# Altium PCB Copy of GameBoard_V1I1_083018.PcbDoc (part 5 of 21) (continued)
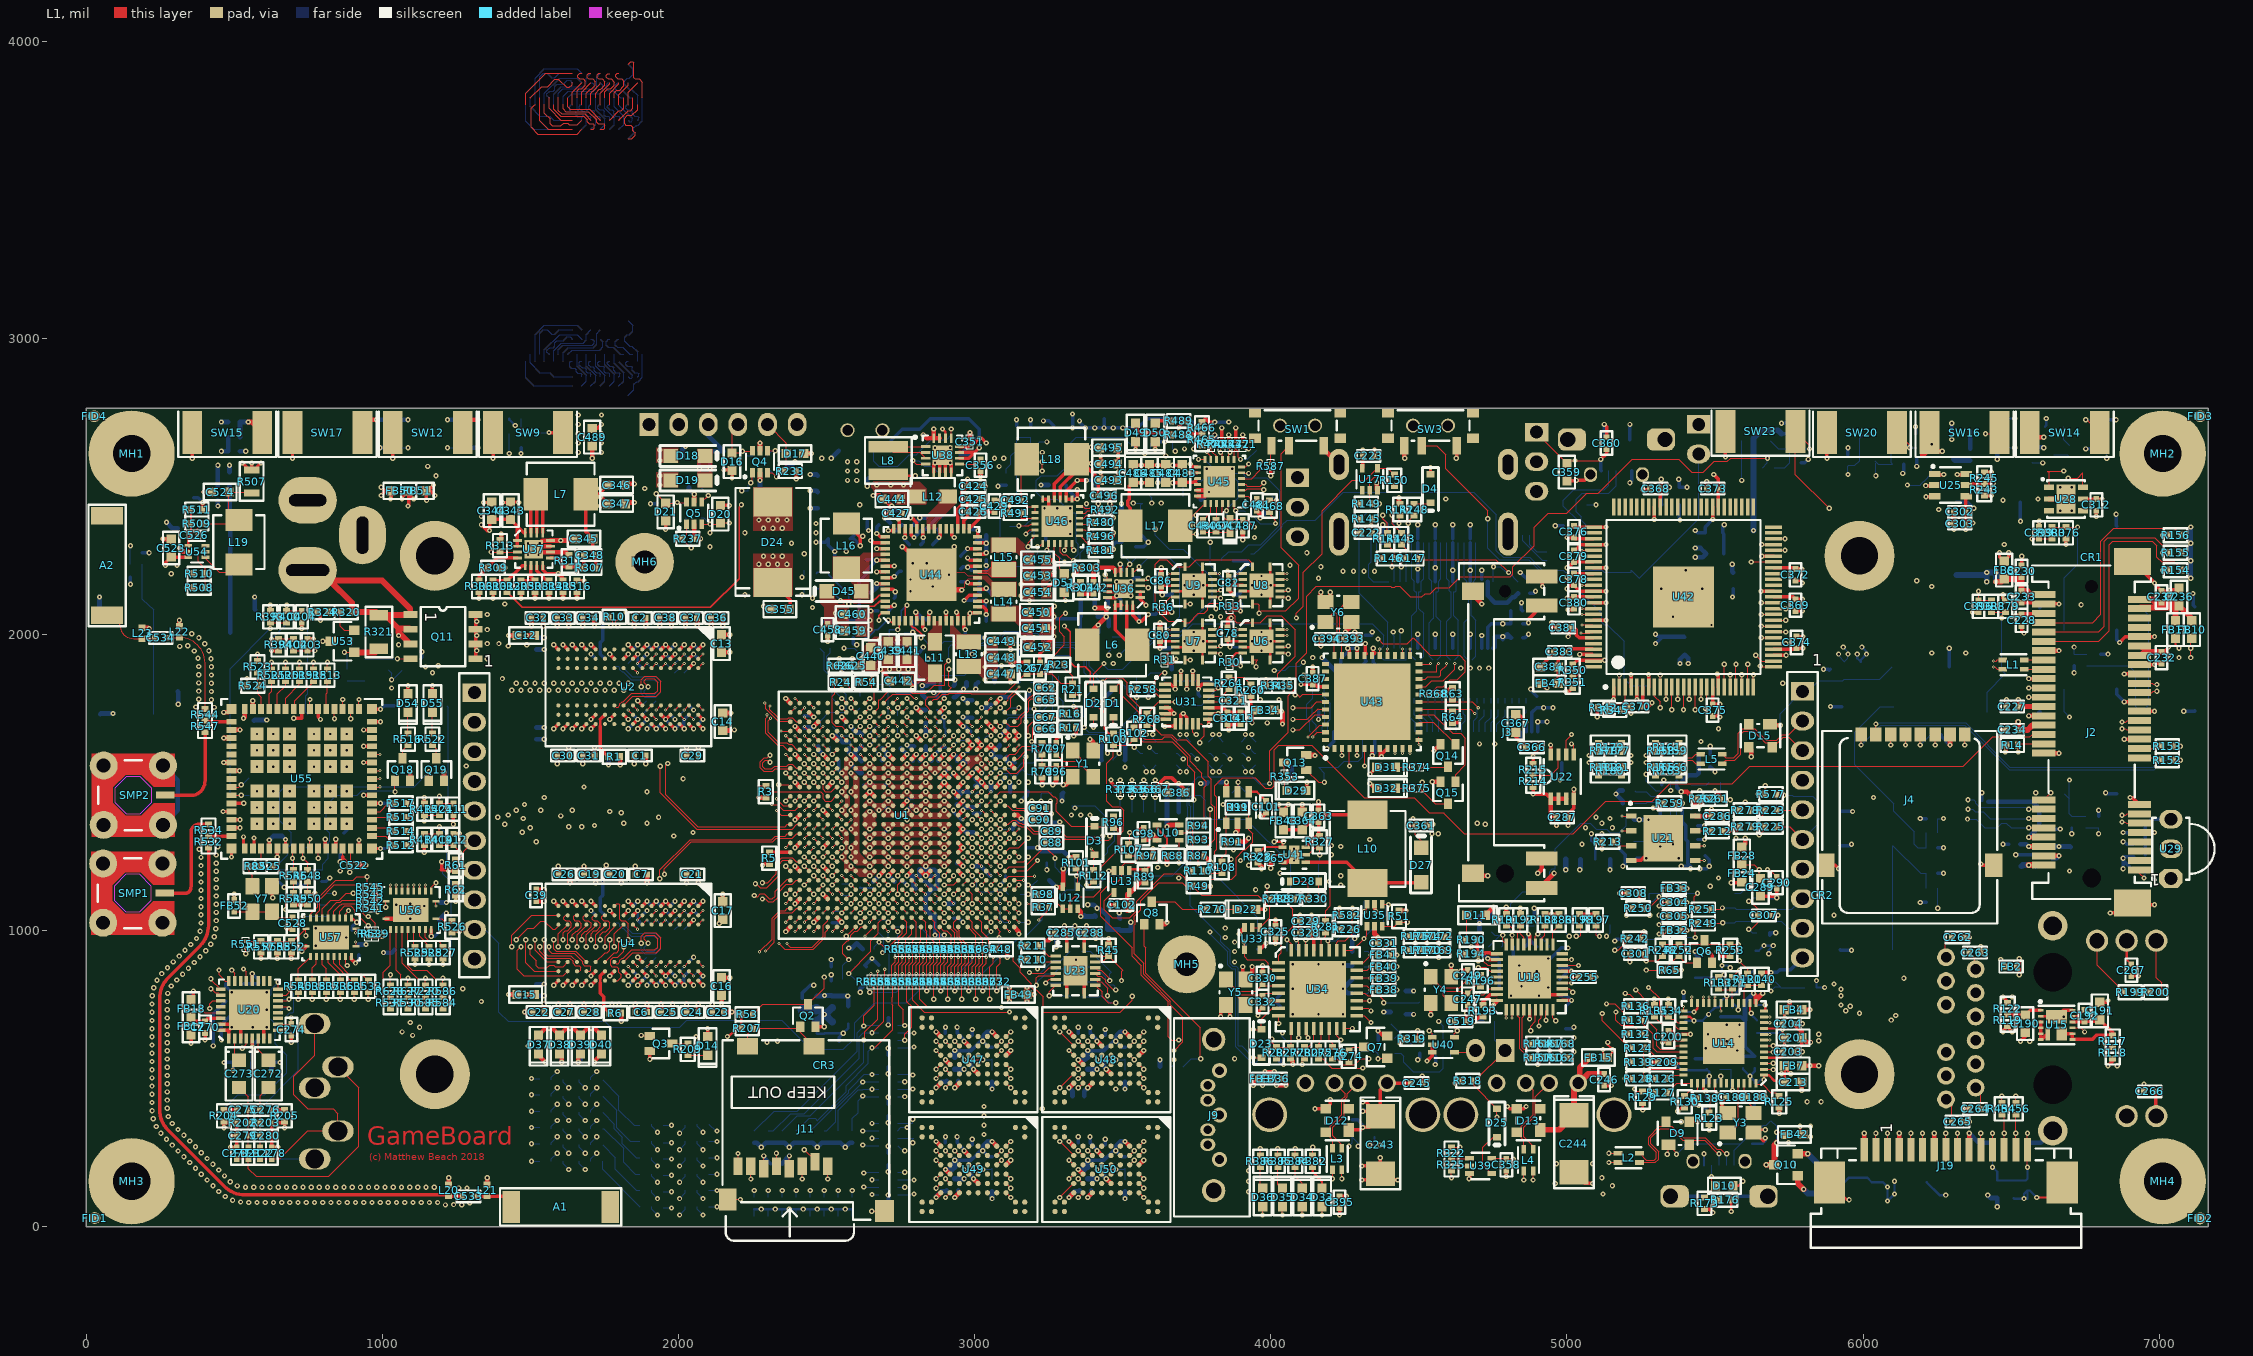
[diagram p0: L1 view]
## Part data (continued)
U16: "IC HDMI TX PORT P/I 38-TSSOP", Manufacturer="ON Semiconductor", Package / Case="38-TFSOP (0.173\", 4.40mm Width) Exposed Pad", Supplier Device Package=38-TSSOP, Supplier Part Number 1=CM2020-00TROSCT-ND, .Checked PCB=used, .Checked SCH=used, .Creator=MM, Applications="Consumer Electronics, DVD-RW Players, Set Top Box", Category="Integrated Circuits (ICs)", ComponentLink1Description=http://www.onsemi.com/pub_link/Collateral/CM2020-00TR-D.PDF, ComponentLink1URL=http://www.onsemi.com/pub_link/Collateral/CM2020-00TR-D.PDF, Manufacturer Part Number=CM2020-00TR, Mounting Type="Surface Mount", Packaging="Cut Tape (CT)", Pricing 1="1=1.52, 10=1.34, 25=1.2096, 100=1.0584, 250=0.9282, 500=0.8232, 1000=0.651 (USD)", RoHS="RoHS Compliant", Stock 1=7580, Supplier 1=Digi-Key, Type="HDMI Transmitter"
U17: "IC BUFFER SCHMIT TRIG SC705", Current - Output High, Low="32mA, 32mA", Manufacturer="Texas Instruments", Operating Temperature="-40°C ~ 85°C", Package / Case="6-TSSOP (5 Lead), SC-88A, SOT-353", Supplier Device Package=SC-70-5, Supplier Part Number 1=296-11934-1-ND, Voltage - Supply="1.65 V ~ 5.5 V", .Checked PCB=used, .Checked SCH=used, Category="Integrated Circuits (ICs)", ComponentLink1Description=http://www.ti.com/lit/ds/symlink/sn74lvc1g17.pdf, ComponentLink1URL=http://www.ti.com/lit/ds/symlink/sn74lvc1g17.pdf, Logic Type="Schmitt Trigger - Buffer, Driver", Manufacturer Part Number=SN74LVC1G17DCKR, Mounting Type="Surface Mount", Number of Bits per Element=1, Number of Elements=1, Packaging="Cut Tape (CT)", Pricing 1="1=0.12, 10=0.097, 25=0.086, 100=0.0581, 250=0.05696, 500=0.0559, 750=0.05483 (USD)", RoHS="RoHS Compliant", Stock 1=50549, Supplier 1=Digi-Key
U18: "USB HUB CONT IND TEMP 36QFNE3", Current - Supply=85mA, Manufacturer="Microchip Technology", Operating Temperature="-40°C ~ 85°C", Package / Case="36-TQFN Exposed Pad", Supplier Device Package="36-QFN-EP (6x6)", Supplier Part Number 1=USB2514BI-AEZG-ND, Voltage - Supply="3 V ~ 3.6 V", .Checked PCB=used, .Checked SCH=used, .Creator=MM, Category="Integrated Circuits (ICs)", ComponentLink1Description=http://www.smsc.com/Downloads/SMSC/Downloads_Public/Data_Sheets/251xb.pdf, ComponentLink1URL=http://www.smsc.com/Downloads/SMSC/Downloads_Public/Data_Sheets/251xb.pdf, Function="Hub Controller", Interface=USB, Manufacturer Part Number=USB2514BI-AEZG, Packaging=Tube, Pricing 1="1=3.78, 10=3.26, 25=2.72, 100=2.47 (USD)", Protocol=USB, RoHS="RoHS Compliant", Standards="USB 2.0", Stock 1=1662, Supplier 1=Digi-Key
U19: "IC SW DISTRIBUTION 2CHAN 8SOIC", Current Limit=900mA, Manufacturer="Micrel Inc", Operating Temperature="-40°C ~ 85°C", Package / Case="8-SOIC (0.154\", 3.90mm Width)", Supplier Device Package=8-SOIC, Supplier Part Number=576-1059-1-ND, Voltage - Input="2.7 V ~ 5.5 V", .Checked PCB=used, .Checked SCH=used, Category="Integrated Circuits (ICs)", ComponentLink1Description=http://www.micrel.com/_PDF/mic2026.pdf, ComponentLink1URL=http://www.micrel.com/_PDF/mic2026.pdf, Family="PMIC - Power Distribution Switches", Internal Switch(s)=Yes, Manufacturer Part Number="MIC2026-1YM TR", Mounting Type="Surface Mount", Number of Outputs=2, Packaging="Cut Tape (CT)", Price 1k [$]=0.53200, Pricing 1="1=1.14, 25=0.95, 100=0.76, 250=0.57, 500=0.532 (USD)", Rds (On)="140 mOhm", RoHS="RoHS Compliant", Stock 1=44857, Supplier=Digikey, Supplier 1=Digi-Key, Supplier Part Number 1=576-1059-1-ND, Type="High Side Switch"
U20: "IC AUDIO CODEC STEREO 32-QFN", Manufacturer="Freescale Semiconductor", Operating Temperature="-40°C ~ 85°C", Package / Case="32-VFQFN Exposed Pad", Supplier Device Package="32-QFN Exposed Pad (5x5)", Supplier Part Number 1=SGTL5000XNAA3R2CT-ND, Voltage - Supply, Analog="1.62 V ~ 3.6 V", Voltage - Supply, Digital="1.1 V ~ 2 V, 1.62 V ~ 3.6 V", .Checked PCB=used, .Checked SCH=used, .Creator=MM, Category="Integrated Circuits (ICs)", ComponentLink1Description=http://cache.freescale.com/files/analog/doc/data_sheet/SGTL5000.pdf, ComponentLink1URL=http://cache.freescale.com/files/analog/doc/data_sheet/SGTL5000.pdf, Data Interface="I²C, Serial, SPI™", Dynamic Range, ADCs / DACs (db) Typ=-, Manufacturer Part Number=SGTL5000XNAA3R2, Mounting Type="Surface Mount", Number of ADCs / DACs="1 / 1", Packaging="Cut Tape (CT)", Pricing 1="1=2.66, 10=2.375, 25=2.2324, 100=2.1375, 250=2.04252, 500=1.9, 1000=1.8525 (USD)", Resolution (Bits)=-, RoHS="RoHS Compliant", S/N Ratio, ADCs / DACs (db) Typ="90 / 100", Sigma Delta=No, Stock 1=0, Supplier 1=Digi-Key, Type="Stereo Audio"
U21: "IC FLASH 32MBIT", Manufacturer="Microchip Technology", Operating Temperature="-40°C ~ 85°C", Package / Case="8-WDFN Exposed Pad", Supplier Device Package="8-WDFN (5x6)", Supplier Part Number 1=SST26VF032B-104I/MF-ND, Voltage - Supply="2.7 V ~ 3.6 V", .Checked PCB=used, .Checked SCH=used, .Creator=MM, Category="Integrated Circuits (ICs)", ComponentLink1Description=http://www.microchip.com/mymicrochip/filehandler.aspx?ddocname=en566514, ComponentLink1URL=http://www.microchip.com/mymicrochip/filehandler.aspx?ddocname=en566514, Format - Memory=FLASH, Interface="SQI, SPI", Manufacturer Part Number=SST26VF032B-104I/MF, Memory Size="32M (4M x 8)", Memory Type=FLASH, Packaging=Tube, Pricing 1="1=1.68, 25=1.62, 100=1.56 (USD)", RoHS="RoHS Compliant", Speed=104MHz, Stock 1=417, Supplier 1=Digi-Key
U22: "IC EEPROM 2KBIT 400KHZ 8MSOP", Manufacturer="Rohm Semiconductor", Operating Temperature="-40°C ~ 85°C", Package / Case="8-VSSOP, 8-MSOP (0.110\", 2.80mm Width)", Supplier Device Package=8-MSOP, Supplier Part Number 1=BR24L02FVM-WCT-ND, Voltage - Supply="1.8 V ~ 5.5 V", .Checked PCB=used, .Checked SCH=used, Category="Integrated Circuits (ICs)", ComponentLink1Description=http://www.rohm.com/products/databook/eeprom/pdf/br24l-e.pdf, ComponentLink1URL=http://www.rohm.com/products/databook/eeprom/pdf/br24l-e.pdf, Format - Memory="EEPROMs - Serial", Interface="I²C, 2-Wire Serial", Manufacturer Part Number=BR24L02FVM-WTR, Memory Size="2K (256 x 8)", Memory Type=EEPROM, Packaging="Cut Tape (CT)", Pricing 1="1=0.78, 25=0.602, 100=0.531, 250=0.4602, 500=0.3894, 1000=0.30975 (USD)", RoHS="RoHS Compliant", Speed=400kHz, Stock 1=19923, Supplier 1=Digi-Key
U23: "IC BUS TRANSCVR 4BIT 16QFN", Manufacturer="Texas Instruments", Operating Temperature="-40°C ~ 85°C", Package / Case="16-VFQFN Exposed Pad", Supplier Device Package="16-VQFN (4x4)", Supplier Part Number 1=296-18231-1-ND, Voltage - Supply="1.2 V ~ 3.6 V", .Checked PCB=used, .Checked SCH=used, .Creator=MM, Category="Integrated Circuits (ICs)", ComponentLink1Description=http://www.ti.com/lit/ds/symlink/sn74avc4t245.pdf, ComponentLink1URL=http://www.ti.com/lit/ds/symlink/sn74avc4t245.pdf, Data Rate=380Mbps, Differential - Input:Output=No/No, Input Type=Voltage, Logic Function="Translator, Bidirectional, 3-State", Manufacturer Part Number=SN74AVC4T245RGYR, Mounting Type="Surface Mount", Number of Channels=2, Number of Outputs/Channel=2, Output Type=Voltage, Packaging="Cut Tape (CT)", Pricing 1="1=1.15, 10=0.924, 100=0.71, 500=0.548, 1000=0.495 (USD)", Propagation Delay (Max)=2.9ns, RoHS="RoHS Compliant", Stock 1=17293, Supplier 1=Digi-Key
U25: "IC DIGITAL TEMP SENSOR SOT23-6", Manufacturer="Texas Instruments", Manufacturer Part Number=TMP101NA/3K, Operating Temperature="-55°C ~ 125°C", Package / Case=SOT-23-6, Supplier Part Number 1=296-27725-1-ND, Voltage - Supply="2.7 V ~ 5.5 V", .Checked PCB=used, .Checked SCH=used, Accuracy=±3°C(Max), Category="Integrated Circuits (ICs)", ComponentLink1Description=http://www.ti.com/lit/ds/symlink/tmp100.pdf, ComponentLink1URL=http://www.ti.com/lit/ds/symlink/tmp100.pdf, Function="Temp Monitoring System (Sensor)", Mounting Type="Surface Mount", Output Alarm=Yes, Output Fan=No, Output Type=I²C™/SMBus™, Packaging="Cut Tape (CT)", Pricing 1="1=2.55, 10=2.304, 25=2.064, 100=1.856, 250=1.648, 500=1.44, 1000=1.192 (USD)", RoHS="RoHS Compliant", Sensing Temperature="-55°C ~ 125°C", Sensor Type=Internal, Stock 1=3233, Supplier 1=Digi-Key, Supplier Device Package=SOT-23-6, Topology="ADC (Sigma Delta), Register Bank"
U26: library part TJA1040T/CM,118, "IC TRANSCEIVER CAN 8SOIC", Manufacturer="NXP Semiconductors", Operating Temperature=-, Package / Case="8-SOIC (0.154\", 3.90mm Width)", Supplier Device Package=8-SO, Supplier Part Number 1=568-10289-1-ND, Voltage - Supply="4.75 V ~ 5.25 V", .Checked PCB=used, .Checked SCH=used, .Creator=MM, Category="Integrated Circuits (ICs)", ComponentLink1Description=http://www.nxp.com/documents/data_sheet/TJA1040.pdf, ComponentLink1URL=http://www.nxp.com/documents/data_sheet/TJA1040.pdf, Data Rate=-, Duplex=Half, Manufacturer Part Number=TJA1040T/CM,118, Mounting Type="Surface Mount", Number of Drivers/Receivers=1/1, Packaging="Cut Tape (CT)", Pricing 1="1=1.32, 10=1.169, 25=1.0552, 100=0.9233, 250=0.80976, 500=0.71814, 1000=0.56792 (USD)", Protocol=CAN, Receiver Hysteresis=70mV, RoHS="RoHS Compliant", Stock 1=2927, Supplier 1=Digi-Key, Type=Transceiver
U28: "SENSIRION - SHT21 - SENSOR, HUMIDITY & TEMP, 3X3MM, 2%", Capacitance=-, Manufacturer=SENSIRION, Operating Temperature Max=125, Operating Temperature Min=-40, Supplier Part Number 1=1855468, Supply Voltage Max=3.6, Supply Voltage Min=2.1, .Checked PCB=used, .Checked SCH=used, .Creator=MM, Category="Integrated Circuits (ICs)", ComponentLink1Description=http://www.farnell.com/datasheets/1780639.pdf, ComponentLink1URL=http://www.farnell.com/datasheets/1780639.pdf, ComponentLink2Description=http://www.farnell.com/cad/1670197.zip, ComponentLink2URL=http://www.farnell.com/cad/1670197.zip, Humidity Range="0% to 100", Manufacturer Part Number=SHT21, MSL="MSL 1 - Unlimited<!--FANDB--><div class=\"features-and-benefits-container\"></div>", Pricing 1="1=3.03, 10=2.94, 25=2.88, 50=2.75, 100=2.55 (GBP)", Response Time=5, RoHS=YES, Sensing Accuracy=2%, Sensitivity="± 1%", Sensor Output1=Digital, Sensor Terminals=SMD, Stock 1=8509, Supplier 1=Farnell
U29: "IC IR RCVR MOD 38KHZ DOME AXIAL", B.P.F. Center Frequency=38.0kHz, Current - Supply=450µA, Manufacturer="Vishay Semiconductor Opto Division", Supplier Part Number 1=751-1227-ND, Voltage - Supply="2.5 V ~ 5.5 V", .Checked PCB=used, .Checked SCH=used, .Creator=MM, Category="Sensors, Transducers", ComponentLink1Description=http://www.vishay.com/docs/82491/tsop382.pdf, ComponentLink1URL=http://www.vishay.com/docs/82491/tsop382.pdf, Manufacturer Part Number=TSOP38238, Mounting Type="Through Hole", Orientation="Side View", Pricing 1="1=1.12, 10=0.878, 25=0.756, 50=0.6548, 100=0.594, 250=0.54, 500=0.4995, 1000=0.4455, 2500=0.432 (USD)", RoHS="RoHS Compliant", Sensing Distance=45m, Stock 1=4083, Supplier 1=Digi-Key
U30: "SENSOR XTRINSIC 6-AXIS QFN", Manufacturer="Freescale Semiconductor", Supplier Part Number 1=FXOS8700CQR1CT-ND, .Checked PCB=used, .Checked SCH=used, .Creator=MM, Category="Sensors, Transducers", ComponentLink1Description=http://cache.freescale.com/files/sensors/doc/data_sheet/FXOS8700CQ.pdf, ComponentLink1URL=http://cache.freescale.com/files/sensors/doc/data_sheet/FXOS8700CQ.pdf, Manufacturer Part Number=FXOS8700CQR1, Output Type="I²C, SPI", Pricing 1="1=2.63, 10=2.35, 25=2.2092, 100=2.115, 250=2.021, 500=1.88 (USD)", RoHS="RoHS Compliant", Sensor Type="Accelerometer, Magnetometer, 3 Axis", Stock 1=6201, Supplier 1=Digi-Key
U31: "GYROSCOPE 3-AXIS 24QFN", Current - Supply=2.7mA, Manufacturer="Freescale Semiconductor", Operating Temperature="-40°C ~ 85°C", Package / Case="24-TFQFN Exposed Pad", Supplier Device Package="24-QFN (4x4)", Supplier Part Number 1=FXAS21002CQR1CT-ND, Voltage - Supply="1.95 V ~ 3.6 V", .Checked PCB=used, .Checked SCH=used, .Creator=MM, Category="Sensors, Transducers", ComponentLink1Description=http://cache.freescale.com/files/sensors/doc/data_sheet/FXAS21002.pdf, ComponentLink1URL=http://cache.freescale.com/files/sensors/doc/data_sheet/FXAS21002.pdf, Manufacturer Part Number=FXAS21002CQR1, Output Type="I²C, SPI", Pricing 1="1=3.56, 10=3.175, 25=2.9844, 100=2.8575, 250=2.73052, 500=2.54 (USD)", Range °/s="±250°/s, ±500°/s, ±1000°/s, ±2000°/s", RoHS="RoHS Compliant", Sensitivity="0.0078°/s/LSB, 0.0156°/s/LSB, 0.0312°/s/LSB, 0.0625°/s/LSB", Stock 1=1703, Supplier 1=Digi-Key, Typical Bandwidth=400Hz
U32: "IC SGL SCHMT-TRIG INVERT SC70-5", Current - Output High, Low="32mA, 32mA", Current - Quiescent (Max)=10µA, Manufacturer="Texas Instruments", Operating Temperature="-40°C ~ 85°C", Package / Case="5-TSSOP, SC-70-5, SOT-353", Supplier Device Package=SC-70-5, Supplier Part Number 1=296-11608-1-ND, Voltage - Supply="1.65 V ~ 5.5 V", .Checked PCB=used, .Checked SCH=used, .Creator=MM, Category="Integrated Circuits (ICs)", ComponentLink1Description=http://www.ti.com/lit/ds/symlink/sn74lvc1g14.pdf, ComponentLink1URL=http://www.ti.com/lit/ds/symlink/sn74lvc1g14.pdf, Features="Schmitt Trigger", Logic Level - High="1.16 V ~ 3.33 V", Logic Level - Low="0.39 V ~ 1.87 V", Logic Type=Inverter, Manufacturer Part Number=SN74LVC1G14DCKR, Max Propagation Delay @ V, Max CL="5ns @ 5V, 50pF", Mounting Type="Surface Mount", Number of Circuits=1, Number of Inputs=1, Packaging="Cut Tape (CT)", Pricing 1="1=0.49, 10=0.284, 100=0.134, 1000=0.103 (USD)", RoHS="RoHS Compliant", Stock 1=49135, Supplier 1=Digi-Key
U34: library part LPC1345FHN33,551, "IC MCU ARM 32KB FLASH 32HVQFN", Manufacturer="NXP Semiconductors", Operating Temperature="-40°C ~ 85°C", Package / Case="32-VQFN Exposed Pad", Supplier Device Package="32-HVQFN (7x7)", Voltage - Supply (Vcc/Vdd)="2 V ~ 3.6 V", .Checked PCB=used, .Checked SCH=used, .Creator=MM, Category="Integrated Circuits (ICs)", ComponentLink1Description=http://www.nxp.com/documents/data_sheet/LPC1315_16_17_45_46_47.pdf, ComponentLink1URL=http://www.nxp.com/documents/data_sheet/LPC1315_16_17_45_46_47.pdf, Connectivity="I²C, Microwire, SPI, SSI, SSP, UART/USART, USB", Core Processor="ARM® Cortex®-M3", Core Size=32-Bit, Data Converters="A/D 8x12b", EEPROM Size="2K x 8", Manufacturer Part Number=LPC1345FHN33,551, Number of I/O=26, Oscillator Type=Internal, Packaging=Tray, Peripherals="Brown-out Detect/Reset, POR, WDT", Pricing 1="260=3.2745 (USD)", Program Memory Size="32KB (32K x 8)", Program Memory Type=FLASH, RAM Size="10K x 8", RoHS="RoHS Compliant", Speed=72MHz, Stock 1=0, Supplier 1=Digi-Key, Supplier Part Number 1=LPC1345FHN33,551-ND
U35: "IC SWITCH SPDT SC70-6", Current - Supply=2.5µA, Manufacturer="Texas Instruments", On-State Resistance="10 Ohm", Operating Temperature="-40°C ~ 85°C", Package / Case="6-TSSOP, SC-88, SOT-363", Supplier Device Package=SC-70-6, Supplier Part Number 1=296-17588-1-ND, Voltage - Supply, Single/Dual (±)="1.65 V ~ 5.5 V", Voltage Supply Source="Single Supply", .Checked PCB=used, .Checked SCH=used, .Creator=MM, Category="Integrated Circuits (ICs)", Circuit="1 x SPDT", ComponentLink1Description=http://www.ti.com/lit/ds/symlink/ts5a3157.pdf, ComponentLink1URL=http://www.ti.com/lit/ds/symlink/ts5a3157.pdf, Function=Switch, Manufacturer Part Number=TS5A3157DCKR, Mounting Type="Surface Mount", Packaging="Cut Tape (CT)", Pricing 1="1=0.42, 10=0.325, 100=0.171, 1000=0.153 (USD)", RoHS="RoHS Compliant", Stock 1=2204, Supplier 1=Digi-Key
U36 U37: "IC REG BUCK SYNC ADJ 4A 16TQFN", Current - Output=4A, Frequency - Switching="490kHz ~ 4.2MHz", Manufacturer=Intersil, Operating Temperature="-40°C ~ 85°C", Package / Case="16-WFQFN Exposed Pad", Supplier Device Package="16-TQFN (3x3)", Supplier Part Number 1=ISL8024AIRTAJZ-T7ACT-ND, Voltage - Input="2.7 V ~ 5.5 V", Voltage - Output="0.6 V ~ 5.5 V", .Checked PCB=used, .Checked SCH=used, .Creator=MM, Category="Integrated Circuits (ICs)", ComponentLink1Description=http://www.intersil.com/content/dam/Intersil/documents/fn78/fn7812.pdf, ComponentLink1URL=http://www.intersil.com/content/dam/Intersil/documents/fn78/fn7812.pdf, Manufacturer Part Number=ISL8024AIRTAJZ-T7A, Mounting Type="Surface Mount", Number of Outputs=1, Output Type=Adjustable, Packaging="Cut Tape (CT)", Pricing 1="1=4.61, 25=3.63, 100=3.08 (USD)", RoHS="RoHS Compliant", Stock 1=440, Supplier 1=Digi-Key, Synchronous Rectifier=Yes, Type="Step-Down (Buck)"
U38: "IC REG BUCK 5V 3A SYNC 16QFN", Base Part Number=TPS62133, Current - Output=3A, Frequency - Switching=2.5MHz, Manufacturer="Texas Instruments", Operating Temperature="-40°C ~ 85°C (TA)", Package / Case="16-VFQFN Exposed Pad", Supplier Device Package="16-QFN (3x3)", Supplier Part Number 1=296-29937-1-ND, Voltage - Input (Max)=17V, Voltage - Input (Min)=3V, Voltage - Output (Max)=-, Voltage - Output (Min/Fixed)=5V, .Creator=MB, Category="Integrated Circuits (ICs)", ComponentLink1Description=http://www.ti.com/lit/ds/symlink/tps62130.pdf, ComponentLink1URL=http://www.ti.com/lit/ds/symlink/tps62130.pdf, Function=Step-Down, Manufacturer Part Number=TPS62133RGTR, Mounting Type="Surface Mount", Number of Outputs=1, Output Configuration=Positive, Output Type=Fixed, Packaging="Cut Tape (CT)", Part Status=Active, Pricing 1="1=2.35, 10=2.113, 100=1.6981, 500=1.39514, 1000=1.15597 (USD)", RoHS="RoHS Compliant", Stock 1=20215, Supplier 1=Digi-Key, Synchronous Rectifier=Yes, Topology=Buck
U39 U40: "IC BUFF CMOS LVL/SFTR N-I SOT353", Current - Output High, Low="8mA, 8mA", Manufacturer="ON Semiconductor", Operating Temperature="-55°C ~ 125°C", Package / Case="5-TSSOP, SC-70-5, SOT-353", Supplier Device Package=SC-70, Supplier Part Number 1=M74VHC1GT126DF1GOSCT-ND, Voltage - Supply="3 V ~ 5.5 V", .Checked PCB=used, .Checked SCH=used, .Creator=MM, Category="Integrated Circuits (ICs)", ComponentLink1Description=http://www.onsemi.com/pub_link/Collateral/MC74VHC1GT126-D.PDF, ComponentLink1URL=http://www.onsemi.com/pub_link/Collateral/MC74VHC1GT126-D.PDF, Logic Type="Buffer/Line Driver, Non-Inverting", Manufacturer Part Number=M74VHC1GT126DF1G, Mounting Type="Surface Mount", Number of Bits per Element=1, Number of Elements=1, Packaging="Cut Tape (CT)", Pricing 1="1=0.36, 10=0.326, 25=0.2344, 100=0.1824, 250=0.1146, 500=0.09766, 1000=0.06654 (USD)", RoHS="RoHS Compliant", Stock 1=6821, Supplier 1=Digi-Key
U41: "IC LED DRVR RGLTR DIM 1.2A 6SON", Base Part Number=TPS61165, Current - Output / Channel="1.2A (Switch)", Frequency=1.2MHz, Manufacturer="Texas Instruments", Operating Temperature="-40°C ~ 85°C (TA)", Package / Case="6-WDFN Exposed Pad", Supplier Device Package="6-SON (2x2)", Supplier Part Number 1=296-22944-1-ND, Voltage - Output="3 V ~ 38 V", Voltage - Supply (Max)=18V, Voltage - Supply (Min)=3V, .Creator=MB, Applications="Automotive, Backlight", Category="Integrated Circuits (ICs)", ComponentLink1Description=http://www.ti.com/lit/ds/symlink/tps61165.pdf, ComponentLink1URL=http://www.ti.com/lit/ds/symlink/tps61165.pdf, Dimming=PWM, Internal Switch(s)=Yes, Manufacturer Part Number=TPS61165DRVR, Mounting Type="Surface Mount", Number of Outputs=1, Packaging="Cut Tape (CT)", Part Status=Active, Pricing 1="1=1.87, 10=1.681, 100=1.3514, 500=1.11034, 1000=0.92 (USD)", RoHS="RoHS Compliant", Stock 1=17685, Supplier 1=Digi-Key, Topology="Step-Up (Boost)", Type="DC DC Regulator"
U42: "Digital Receiver 3RX 100-Pin HTQFP EP T/R", Dual Supply Voltage=3.3V, Manufacturer="Texas Instruments", Max Dual Supply Voltage=3.6V, Max Operating Temperature=85°C, Min Dual Supply Voltage=3V, Min Operating Temperature=-40°C, Nominal Supply Current=370mA, Package Quantity=900, Supplier Part Number 1=595-TFP401AIPZPRQ1, .Creator=MB, ComponentLink1Description=https://datasheet.ciiva.com/6634/slds190-6634593.pdf, ComponentLink1URL=https://datasheet.ciiva.com/6634/slds190-6634593.pdf, ComponentLink2Description=https://datasheet.ciiva.com/26913/getdatasheetpartid-720456-26913091.pdf, ComponentLink2URL=https://datasheet.ciiva.com/26913/getdatasheetpartid-720456-26913091.pdf, ComponentLink3Description=https://datasheet.ciiva.com/24101/slds190-260996-24101855.pdf, ComponentLink3URL=https://datasheet.ciiva.com/24101/slds190-260996-24101855.pdf, Lead Free="Lead Free", Manufacturer Part Number=TFP401AIPZPRQ1, Mount="Surface Mount", Number of Pins=100, Packaging="Tape and Reel", Pricing 1="1=9.68, 10=8.75, 50=8.1, 100=7.24, 1000=5.49, 10000=5.49 (USD)", Radiation Hardening=No, Stock 1=0, Supplier 1=Mouser
U43: "IC MCU 8BIT 32KB FLASH 44QFN", Case/Package=QFN, Frequency=48MHz, Manufacturer=Microchip, Max Operating Temperature=85°C, Max Power Dissipation=1W, Max Supply Voltage=5.5V, Min Operating Temperature=-40°C, Min Supply Voltage=4.2V, Package Quantity=45, Supplier Part Number 1=PIC18F4550-I/ML-ND, .Creator=MB, Access Time=48us, ComponentLink1Description=https://datasheet.ciiva.com/9244/39632d-9244677.pdf, ComponentLink1URL=https://datasheet.ciiva.com/9244/39632d-9244677.pdf, ComponentLink2Description=https://datasheet.ciiva.com/1494/39632e-1494715.pdf, ComponentLink2URL=https://datasheet.ciiva.com/1494/39632e-1494715.pdf, ComponentLink3Description=https://datasheet.ciiva.com/7774/39632e-7774431.pdf, ComponentLink3URL=https://datasheet.ciiva.com/7774/39632e-7774431.pdf, Core Architecture=PIC, Data Bus Width=8b, Density=32KB, Height=0.95mm, Interface=I2C,SPI,USB,UART,USART, Lead Free="Lead Free", Length=8mm, Manufacturer Part Number=PIC18F4550-I/ML, Max Frequency=48MHz, Memory Size=32KB, Memory Type=FLASH, Mount="Surface Mount", Number of ADC Channels=13, Number of Bits=8, Number of I2C Channels=1, Number of I/Os=35, Number of Inputs=35, Number of Outputs=34, Number of Pins=44, Number of Programmable I/O=35, Number of PWM Channels=1, Number of SPI Channels=1, Number of Timers/Counters=4, Number of UART Channels=1, Number of USB Channels=1, Oscillator Type=Internal, Packaging=Rail/Tube, Peripherals="Brown-out Detect/Reset,POR,PWM,WDT,HLVD,I2C", Pricing 1="1=4.73, 25=4.6248, 100=4.5114 (USD)", Radiation Hardening=No, RAM Size=2KB, REACH SVHC="No SVHC", Stock 1=752, Supplier 1=Digi-Key, Watchdog Timer=Yes, Width=8mm
U44: "IC PWR MGMT I.MX6 56QFN", Manufacturer="Freescale Semiconductor", Operating Temperature="-40°C ~ 85°C", Package / Case="56-VFQFN Exposed Pad", Supplier Device Package="56-QFN (8x8)", Supplier Part Number 1=MMPF0100NPAEP-ND, Voltage - Input="2.8 V ~ 4.5 V", Voltage - Output=Multiple, .Checked PCB=used, .Checked SCH=used, .Creator=MM, Applications="Converter, i.MX6", Category="Integrated Circuits (ICs)", ComponentLink1Description=http://cache.freescale.com/files/analog/doc/data_sheet/MMPF0100.pdf, ComponentLink1URL=http://cache.freescale.com/files/analog/doc/data_sheet/MMPF0100.pdf, Manufacturer Part Number=MMPF0100NPAEP, Mounting Type="Surface Mount", Number of Outputs=12, Packaging=Tray, Pricing 1="260=4.017 (USD)", RoHS="RoHS Compliant", Stock 1=0, Supplier 1=Digi-Key
U45: "IC LI-ION CHARGE MGMT 24WQFN", Battery Pack Voltage=-, Charge Current - Max=5A, Manufacturer="Texas Instruments", Operating Temperature="-40°C ~ 85°C (TA)", Package / Case="24-WFQFN Exposed Pad", Supplier Device Package="24-WQFN (4x4)", Supplier Part Number 1=296-46074-1-ND, Voltage - Supply (Max)=14V, .Creator=MB, Battery Chemistry=Lithium-Ion/Polymer, Category="Integrated Circuits (ICs)", ComponentLink1Description=http://www.ti.com/lit/ds/symlink/bq25890.pdf, ComponentLink1URL=http://www.ti.com/lit/ds/symlink/bq25890.pdf, ComponentLink2Description=http://www.ti.com/lit/ds/symlink/bq25898c.pdf, ComponentLink2URL=http://www.ti.com/lit/ds/symlink/bq25898c.pdf, Current - Charging=-, Fault Protection="Over Current, Over Temperature", Interface="I²C, USB", Manufacturer Part Number=BQ25890RTWR, Number of Cells=1, Packaging="Cut Tape (CT)", Part Status=Active, Pricing 1="1=3.6, 10=3.236, 100=2.6512, 500=2.25694, 1000=1.90344 (USD)", Pricing 2="1=3.87, 10=3.474, 100=2.846 (USD)", Programmable Features=-, RoHS="RoHS Compliant", Stock 1=4130, Stock 2=565, Supplier 1=Digi-Key, Supplier 2=Digi-Key, Supplier Part Number 2=296-44134-1-ND
U46: "IC LI-ION CHARGE MGMT 24WQFN", Manufacturer="Texas Instruments", Max Operating Temperature=85°C, Min Operating Temperature=-40°C, Operating Supply Voltage=14V, Output Current=5A, Output Voltage=4.6V, Supplier Part Number 1=296-46075-6-ND, ComponentLink1Description=http://www.ti.com/lit/gpn/BQ25892, ComponentLink1URL=http://www.ti.com/lit/gpn/BQ25892, ComponentLink2Description=http://www.ti.com/lit/ds/symlink/bq25892.pdf, ComponentLink2URL=http://www.ti.com/lit/ds/symlink/bq25892.pdf, Contact Plating=Nickel,Gold, Lead Free="Lead Free", Manufacturer Part Number=BQ25892RTWR, Mount="Surface Mount", Number of Cells=1, Pricing 1="1=3.6, 10=3.236, 100=2.6512, 500=2.25694, 1000=1.90344 (USD)", Stock 1=1514, Supplier 1=Digi-Key
U47 U48 U49 U50: "IC FLASH MEM 4GBIT NAND 63VFBGA", Manufacturer=Macronix, Max Operating Temperature=85°C, Min Operating Temperature=-40°C, ComponentLink1Description=http://www.macronix.com/Lists/Datasheet/Attachments/5992/MX30LF2G18AC,%203V,%202Gb,%20v1.4.pdf, ComponentLink1URL=http://www.macronix.com/Lists/Datasheet/Attachments/5992/MX30LF2G18AC,%203V,%202Gb,%20v1.4.pdf, Interface=Parallel, Manufacturer Part Number=MX30LF4G18AC-XKI, Memory Type=NAND,FLASH, Number of Pins=63, Packaging=Tray, Pricing 1="1=11.32, 500=8.4375 (USD)", Stock 1=1195, Supplier 1=Digi-Key
U52: "IC SINGLE INVERTER GATE SOT353", Case/Package=SOT-353, High Level Output Current=-8mA, Low Level Output Current=8mA, Manufacturer=Diodes, Max Operating Temperature=125°C, Max Supply Voltage=5.5V, Min Operating Temperature=-40°C, Min Supply Voltage=4.5V, Operating Supply Voltage=5V, Package Quantity=3000, Quiescent Current=1uA, Supplier Part Number 1=74AHCT1G04SE-7DIDKR-ND, .Creator=MB, ComponentLink1Description=https://datasheet.ciiva.com/26856/getdatasheetpartid-746016-26856226.pdf, ComponentLink1URL=https://datasheet.ciiva.com/26856/getdatasheetpartid-746016-26856226.pdf, ComponentLink2Description=https://datasheet.ciiva.com/28428/74ahct1g04-28428437.pdf, ComponentLink2URL=https://datasheet.ciiva.com/28428/74ahct1g04-28428437.pdf, ComponentLink3Description=https://datasheet.ciiva.com/12256/74ahct1g04-83266-12256775.pdf, ComponentLink3URL=https://datasheet.ciiva.com/12256/74ahct1g04-83266-12256775.pdf, ComponentLink4Description=https://datasheet.ciiva.com/1862/74ahct1g04-1862426.pdf, ComponentLink4URL=https://datasheet.ciiva.com/1862/74ahct1g04-1862426.pdf, ComponentLink5Description=https://datasheet.ciiva.com/1862/74ahct1g04-1862427.pdf, ComponentLink5URL=https://datasheet.ciiva.com/1862/74ahct1g04-1862427.pdf, ComponentLink6Description=https://datasheet.ciiva.com/1862/74ahct1g04-1862428.pdf, ComponentLink6URL=https://datasheet.ciiva.com/1862/74ahct1g04-1862428.pdf, ComponentLink7Description=https://datasheet.ciiva.com/8248/74ahct1g04-8248604.pdf, ComponentLink7URL=https://datasheet.ciiva.com/8248/74ahct1g04-8248604.pdf, ComponentLink8Description=https://datasheet.ciiva.com/16406/74ahc1g04-16406796.pdf, ComponentLink8URL=https://datasheet.ciiva.com/16406/74ahc1g04-16406796.pdf, ComponentLink9Description=https://datasheet.ciiva.com/1154/74ahct1g04-1154302.pdf, ComponentLink9URL=https://datasheet.ciiva.com/1154/74ahct1g04-1154302.pdf, Contact Plating=Tin,Matte, Height=1mm, Lead Free="Lead Free", Length=2.2mm, Logic Function=Inverter, Manufacturer Part Number=74AHCT1G04SE-7, Mount="Surface Mount", Number of Circuits=1, Number of Elements=1, Number of Inputs=1, Number of Pins=5, Output Current=8mA, Packaging="Tape and Reel", Pricing 1="1=0.25, 10=0.205, 100=0.1086, 500=0.07148, 1000=0.0486 (USD)", Propagation Delay=7.7ns, Radiation Hardening=No, REACH SVHC="No SVHC", Schmitt Trigger Input=No, Stock 1=6017, Supplier 1=Digi-Key, Turn-On Delay Time=10.05ns, Width=1.35mm
U53: "IC VREF SHUNT ADJ SOT23-3", Current - Cathode=700µA, Current - Output=100mA, Current - Supply=-, Manufacturer="Texas Instruments", Operating Temperature="-40°C ~ 125°C (TA)", Package / Case="TO-236-3, SC-59, SOT-23-3", Supplier Device Package=SOT-23-3, Supplier Part Number 1=296-18864-1-ND, Tolerance=±1%, Voltage - Output (Max)=36V, Voltage - Output (Min/Fixed)=2.495V, .Checked PCB=used, .Checked SCH=used, .Creator=MM, Category="Integrated Circuits (ICs)", ComponentLink1Description=http://www.ti.com/lit/ds/symlink/tl431a.pdf, ComponentLink1URL=http://www.ti.com/lit/ds/symlink/tl431a.pdf, Manufacturer Part Number=TL431AQDBZR, Mounting Type="Surface Mount", Noise - 0.1Hz to 10Hz=-, Noise - 10Hz to 10kHz=-, Output Type=Adjustable, Packaging="Cut Tape (CT)", Pricing 1="1=0.48, 10=0.323, 100=0.151, 1000=0.131 (USD)", Reference Type=Shunt, RoHS="RoHS Compliant", Stock 1=14090, Supplier 1=Digi-Key, Temperature Coefficient=-, Voltage - Input=-
U54: "1-A High Efficiency Step-Down Converter in SOT Package, DRL0006A (SOT-OTHER-6)", Alternate Manufacturer="Texas Instruments", Alternate PartNumber=TLV62568DRLT, ComponentLink1Description="Datasheet Link", ComponentLink1URL=http://www.ti.com/lit/ds/symlink/tlv62568.pdf, CompType=IC, LatestRevisionDate=2017-05-22, Manufacturer="Texas Instruments", MountType=SMT, PackageDescription=SOT-OTHER-6, PackageReference=DRL0006A, PartNumber=TLV62568DRLR, Publisher="Texas Instruments", RoHS=Y, SizeArea_mm2=2.56, SizeAreaWB_mm2=6.76, SizeX_mm=1.6, SizeY_mm=1.6, SizeZ_mm=0.6, SymbolCreator=a0411947, SymbolVersion=2016-08-27, U/M=EA
U55: "Imported", Manufacturer="Texas Instruments", ComponentLink1Description="Design Guide", ComponentLink1URL=http://www.ti.com/lit/ug/swru382a/swru382a.pdf, ComponentLink2Description="Data Sheet", ComponentLink2URL=http://www.ti.com/lit/ds/symlink/wl1837mod.pdf, PartNumber=WL1837MODGIMOCR, RefDes=RefDes, Type=TYPE
U56 U57: "8-Bit Bidirectional Voltage-Level Shifter For Open-Drain And Push-Pull Application, RGY0020A (VQFN-20)", Alternate Manufacturer="Texas Instruments", ComponentLink1Description="Datasheet Link", ComponentLink1URL=http://www.ti.com/lit/ds/symlink/txs0108e.pdf, CompType=IC, Green_EU RoHS=Passed, Green_EU RoHS-2=Passed, Green_Lifecycle=Active, Green_REACh=Passed, LatestRevisionDate=2017-06-05, Manufacturer="Texas Instruments", MountType=SMT, PackageDescription=VQFN-20, PackageReference=RGY0020A, PartNumber=TXS0108ERGYR, Publisher="Texas Instruments", RoHS=Y, SizeArea_mm2=15.75, SizeAreaWB_mm2=24.75, SizeX_mm=3.5, SizeY_mm=4.5, SizeZ_mm=1, SymbolCreator=a0411947, SymbolVersion=2016-1-28, U/M=EA
Y1 Y4: library part ABM8-24.000MHZ-R60-D-1-W-T, "CRYSTAL 24MHZ 18PF SMD", ESR (Equivalent Series Resistance)="50 Ohm", Frequency Stability=±25ppm, Frequency Tolerance=±10ppm, Load Capacitance=18pF, Manufacturer="Abracon Corporation", Operating Mode=Fundamental, Operating Temperature="-40°C ~ 85°C", Package / Case="4-SMD, No Lead (DFN, LCC)", Ratings=-, Supplier Part Number 1=535-10155-1-ND, .Checked PCB=used, .Checked SCH=used, .Creator=MM, Category="Crystals and Oscillators", ComponentLink1Description=http://www.abracon.com/Resonators/abm8.pdf, ComponentLink1URL=http://www.abracon.com/Resonators/abm8.pdf, Frequency=24MHz, Height="0.031\" (0.80mm)", Manufacturer Part Number=ABM8-24.000MHZ-R60-D-1-W-T, Mounting Type="Surface Mount", Packaging="Cut Tape (CT)", Pricing 1="1=1.42, 10=1.356, 50=1.326, 100=1.134, 500=1.104 (USD)", RoHS="RoHS Compliant", Size / Dimension="0.126\" L x 0.098\" W (3.20mm x 2.50mm)", Stock 1=11496, Supplier 1=Digi-Key, Type="MHz Crystal"
Y2: library part ABS06-32.768KHZ-9-1-T, "CRYSTAL 32.768 KHZ 9.0 PF SMD", Frequency Stability=±10ppm, Load Capacitance=9pF, Manufacturer="Abracon Corporation", Operating Mode=Fundamental, Operating Temperature="-40°C ~ 85°C", Package / Case="2-SMD, No Lead (DFN, LCC)", Supplier Part Number=535-10247-1-ND, .Checked PCB=used, .Checked SCH=used, Category="Crystals and Oscillators", ComponentLink1Description=http://www.abracon.com/Resonators/ABS06.pdf, ComponentLink1URL=http://www.abracon.com/Resonators/ABS06.pdf, Frequency=32.768kHz, Frequency Tolerance=±10ppm, Height="0.024\" (0.60mm)", Manufacturer Part Number=ABS06-32.768KHZ-9-1-T, Mounting Type="Surface Mount", Packaging="Cut Tape (CT)", Price 1k [$]=1.24500, Pricing 1="1=2.81, 10=2.438, 50=2.1376, 100=1.6875, 500=1.425 (USD)", RoHS="RoHS Compliant", Size / Dimension="0.079\" L x 0.047\" W (2.00mm x 1.20mm)", Stock 1=5693, Supplier=Digikey, Supplier 1=Digi-Key, Supplier Part Number 1=535-10247-1-ND, Type="kHz Crystal (Tuning Fork)"
Y3: library part ABM8G-25.000MHZ-18-D2Y-T, "CRYSTAL 25MHZ 18PF SMD", ESR (Equivalent Series Resistance)="60 Ohm", Frequency=25MHz, Frequency Stability=±30ppm, Frequency Tolerance=±20ppm, Load Capacitance=18pF, Manufacturer="Abracon Corporation", Operating Mode=Fundamental, Operating Temperature="-40°C ~ 85°C", Package / Case="4-SMD, No Lead (DFN, LCC)", Ratings=-, Supplier Part Number 1=535-10275-1-ND, .Checked PCB=used, .Checked SCH=used, .Creator=MM, Category="Crystals and Oscillators", ComponentLink1Description=http://www.abracon.com/Resonators/ABM8G.pdf, ComponentLink1URL=http://www.abracon.com/Resonators/ABM8G.pdf, Height="0.039\" (1.00mm)", Manufacturer Part Number=ABM8G-25.000MHZ-18-D2Y-T, Mounting Type="Surface Mount", Packaging="Cut Tape (CT)", Pricing 1="1=1.06, 10=0.944, 50=0.8814, 100=0.78, 500=0.7371 (USD)", RoHS="RoHS Compliant", Size / Dimension="0.126\" L x 0.098\" W (3.20mm x 2.50mm)", Stock 1=25549, Supplier 1=Digi-Key, Type="MHz Crystal"